# Altium PCB EVB-ANNA-B5x5_Certifi.PcbDoc (part 1 of 6)
Units mm, origin at the board's own origin, x right, y up, seen from the top; angles counter-clockwise.
Board outline 100 x 70 mm, 6 copper layers (L1, L2, L3, L4, L5, L6), stack 1.547 mm thick; 489 components, 297 nets, 1418 pads, 1472 vias.
Unrouted connection lines stored in the file: 3.
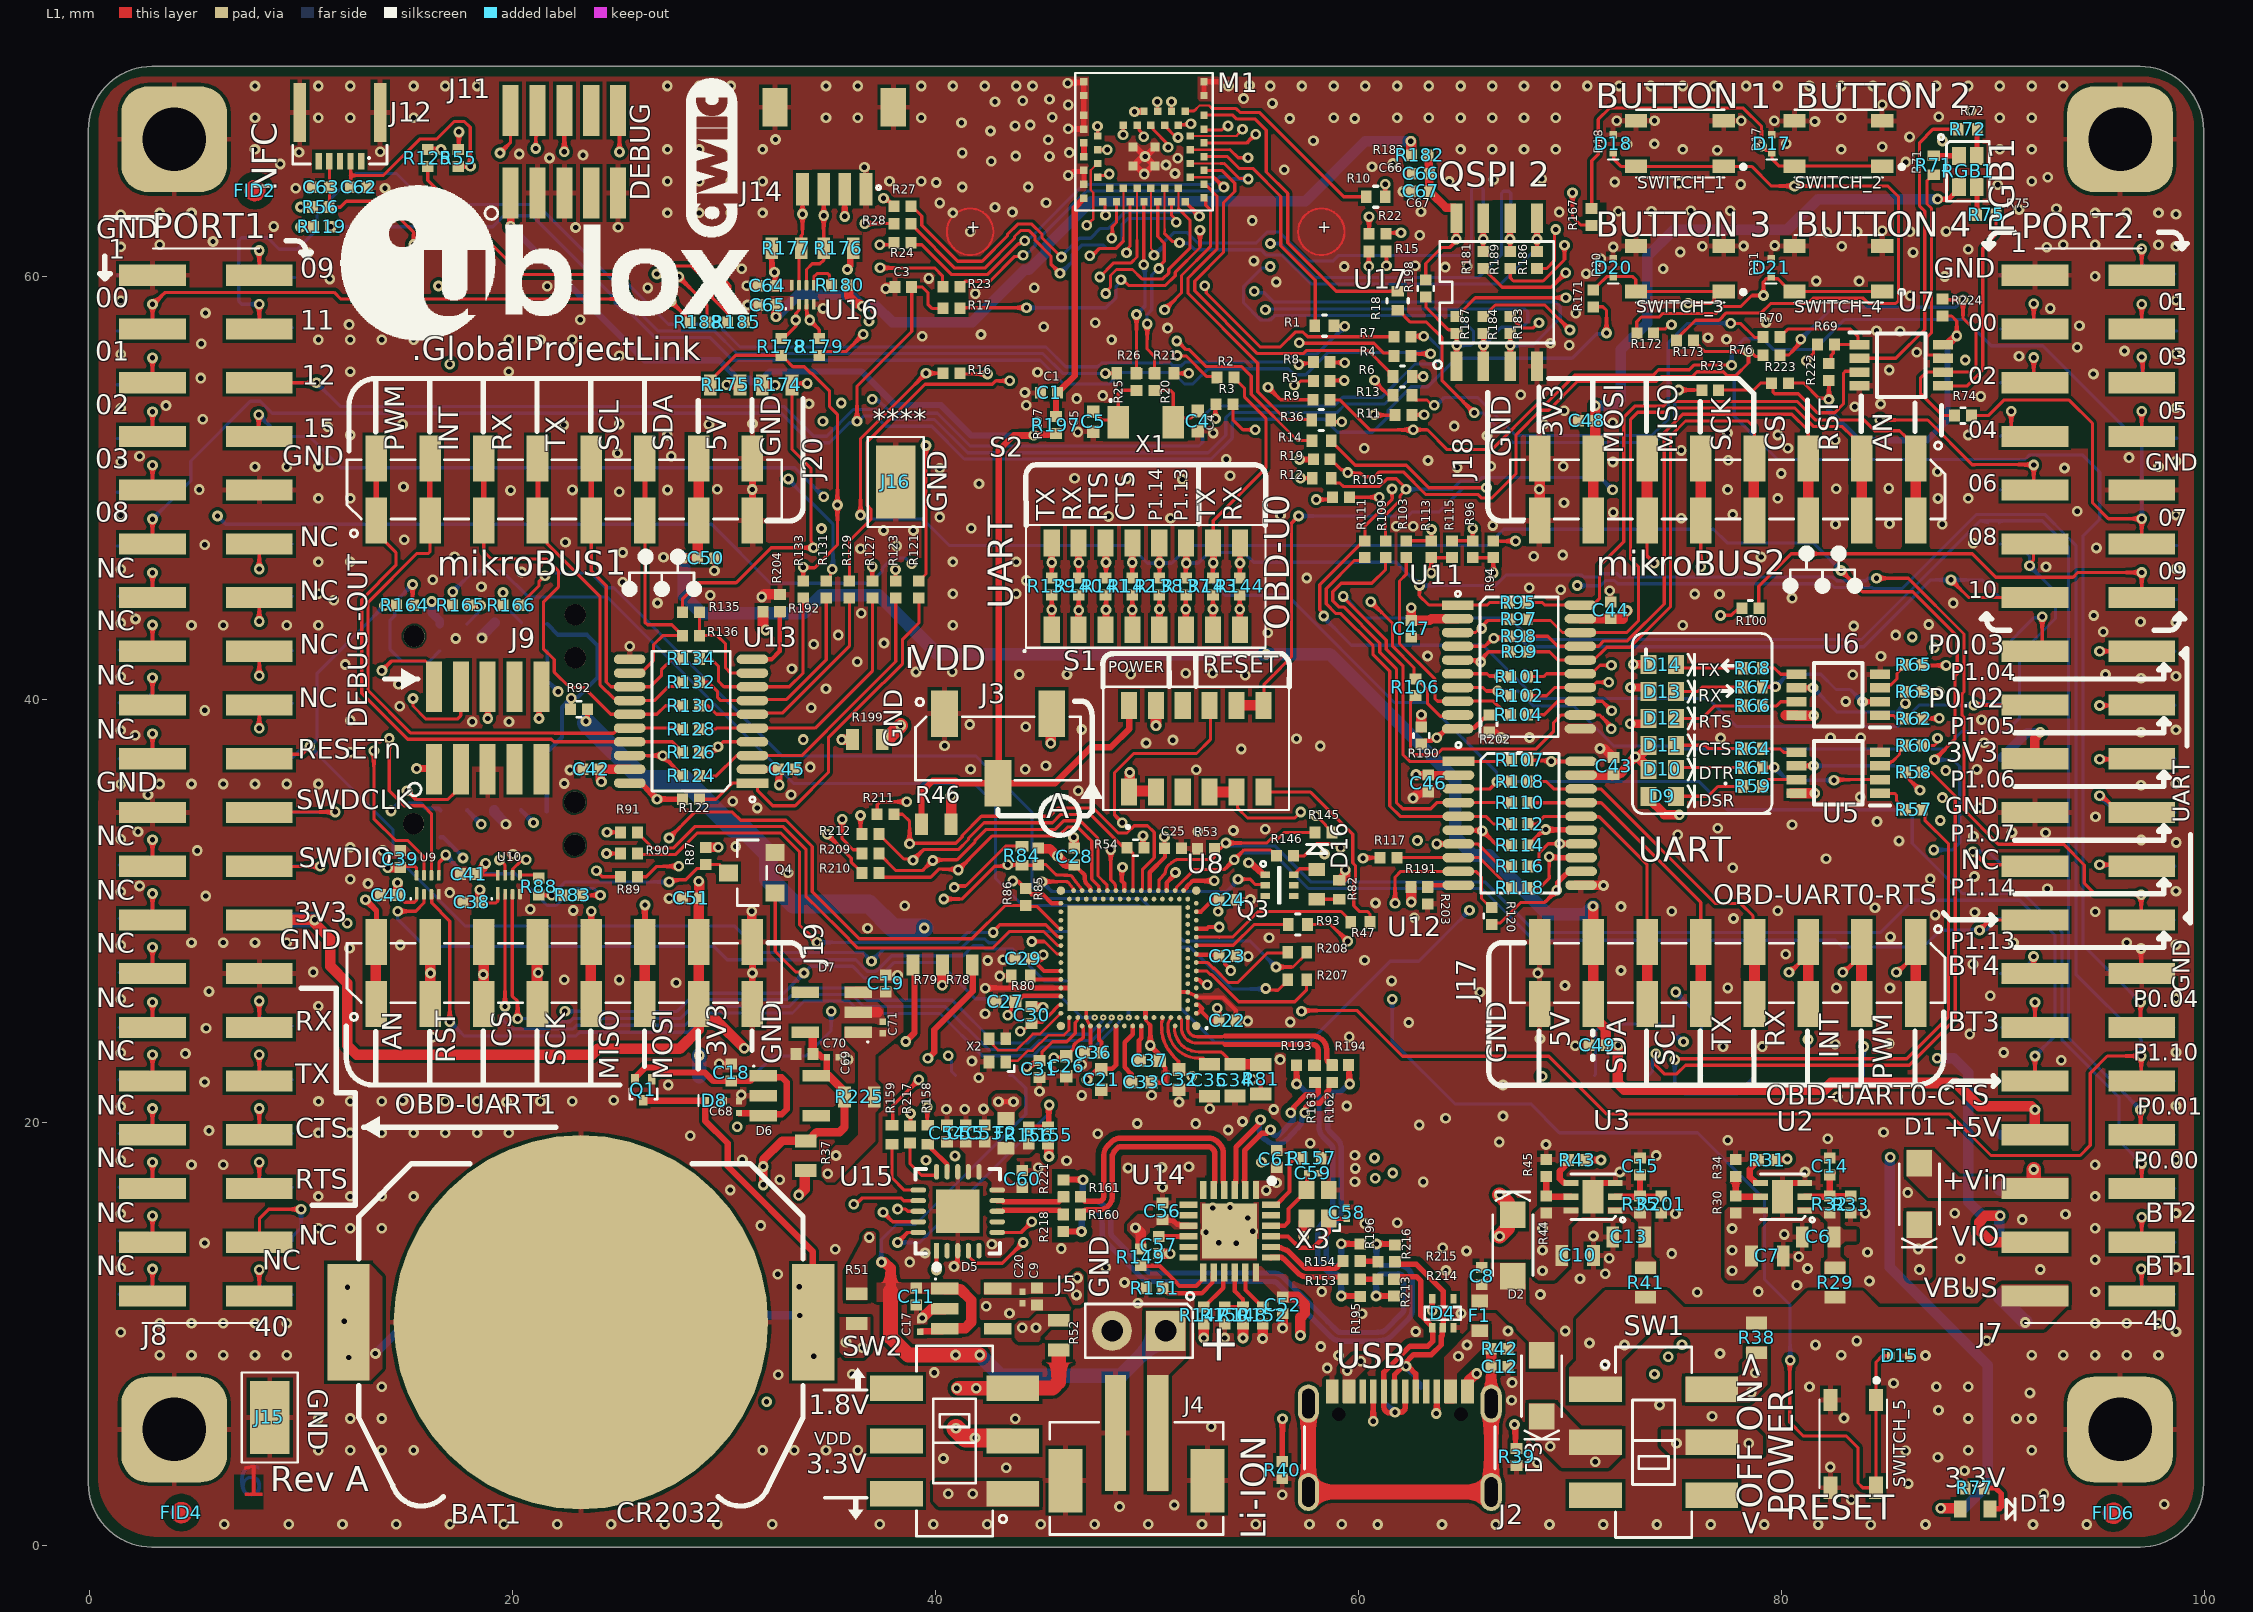
[diagram p0: L1 view]
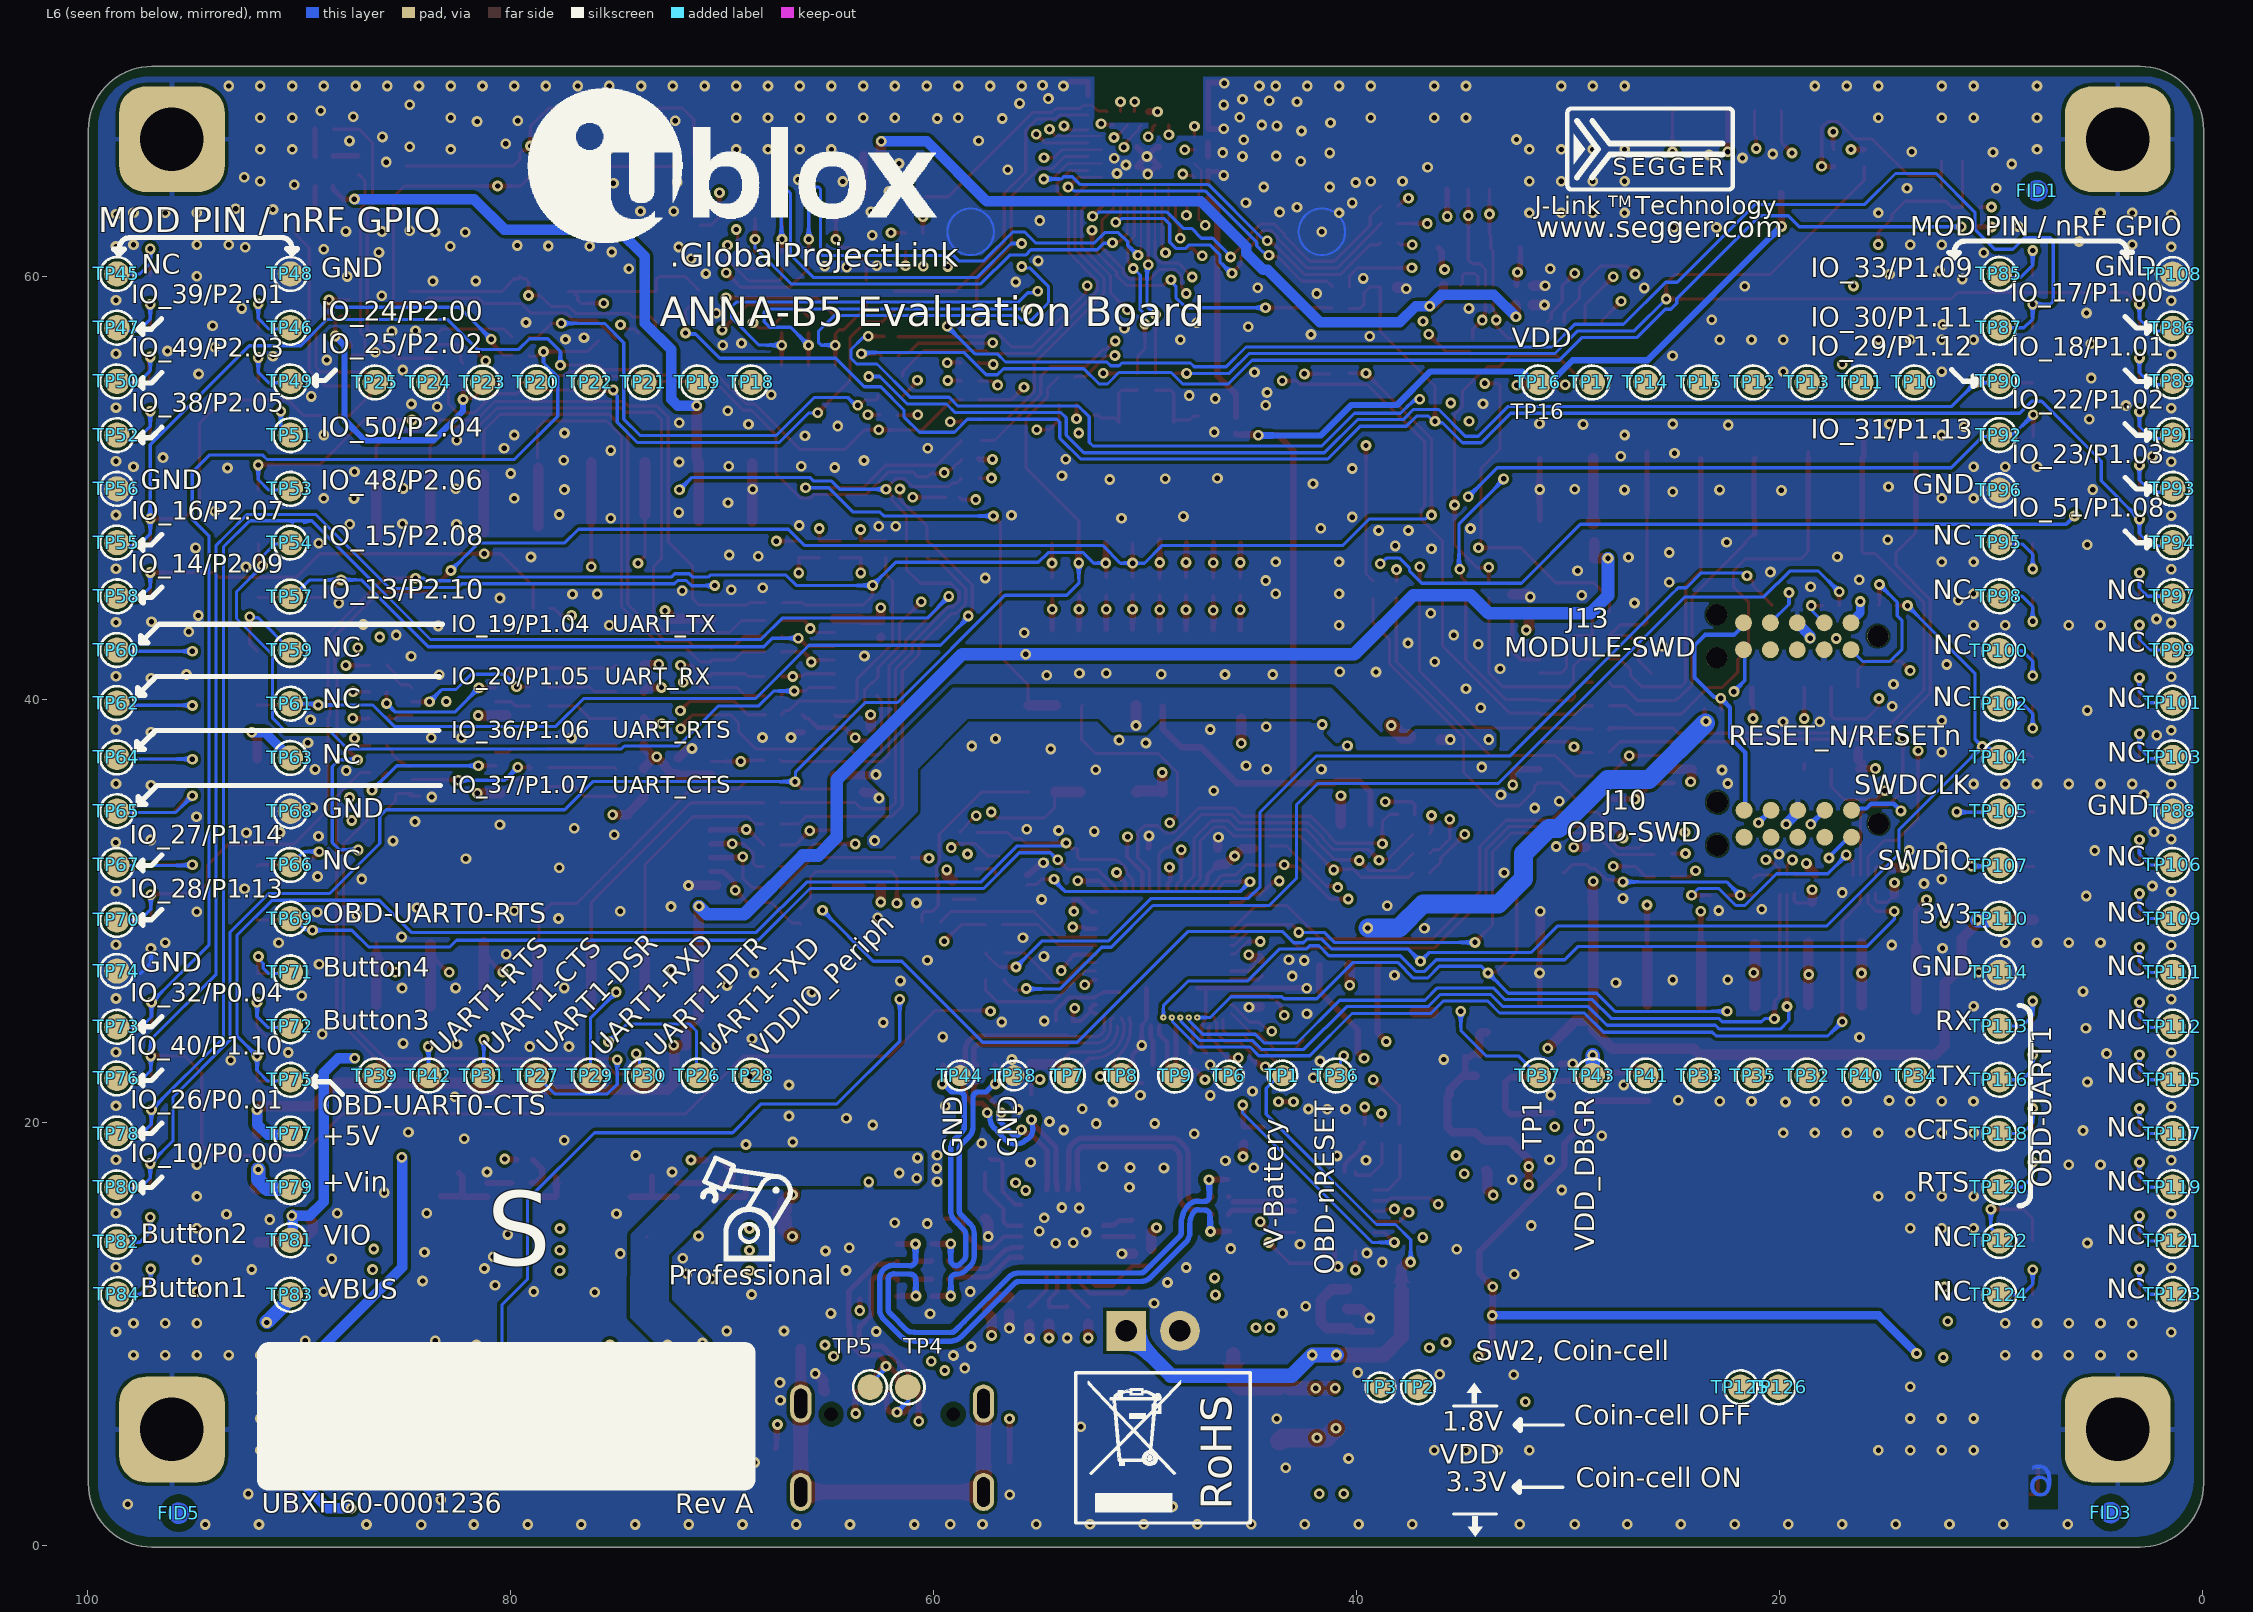
[diagram p1: L6 view, seen from below]
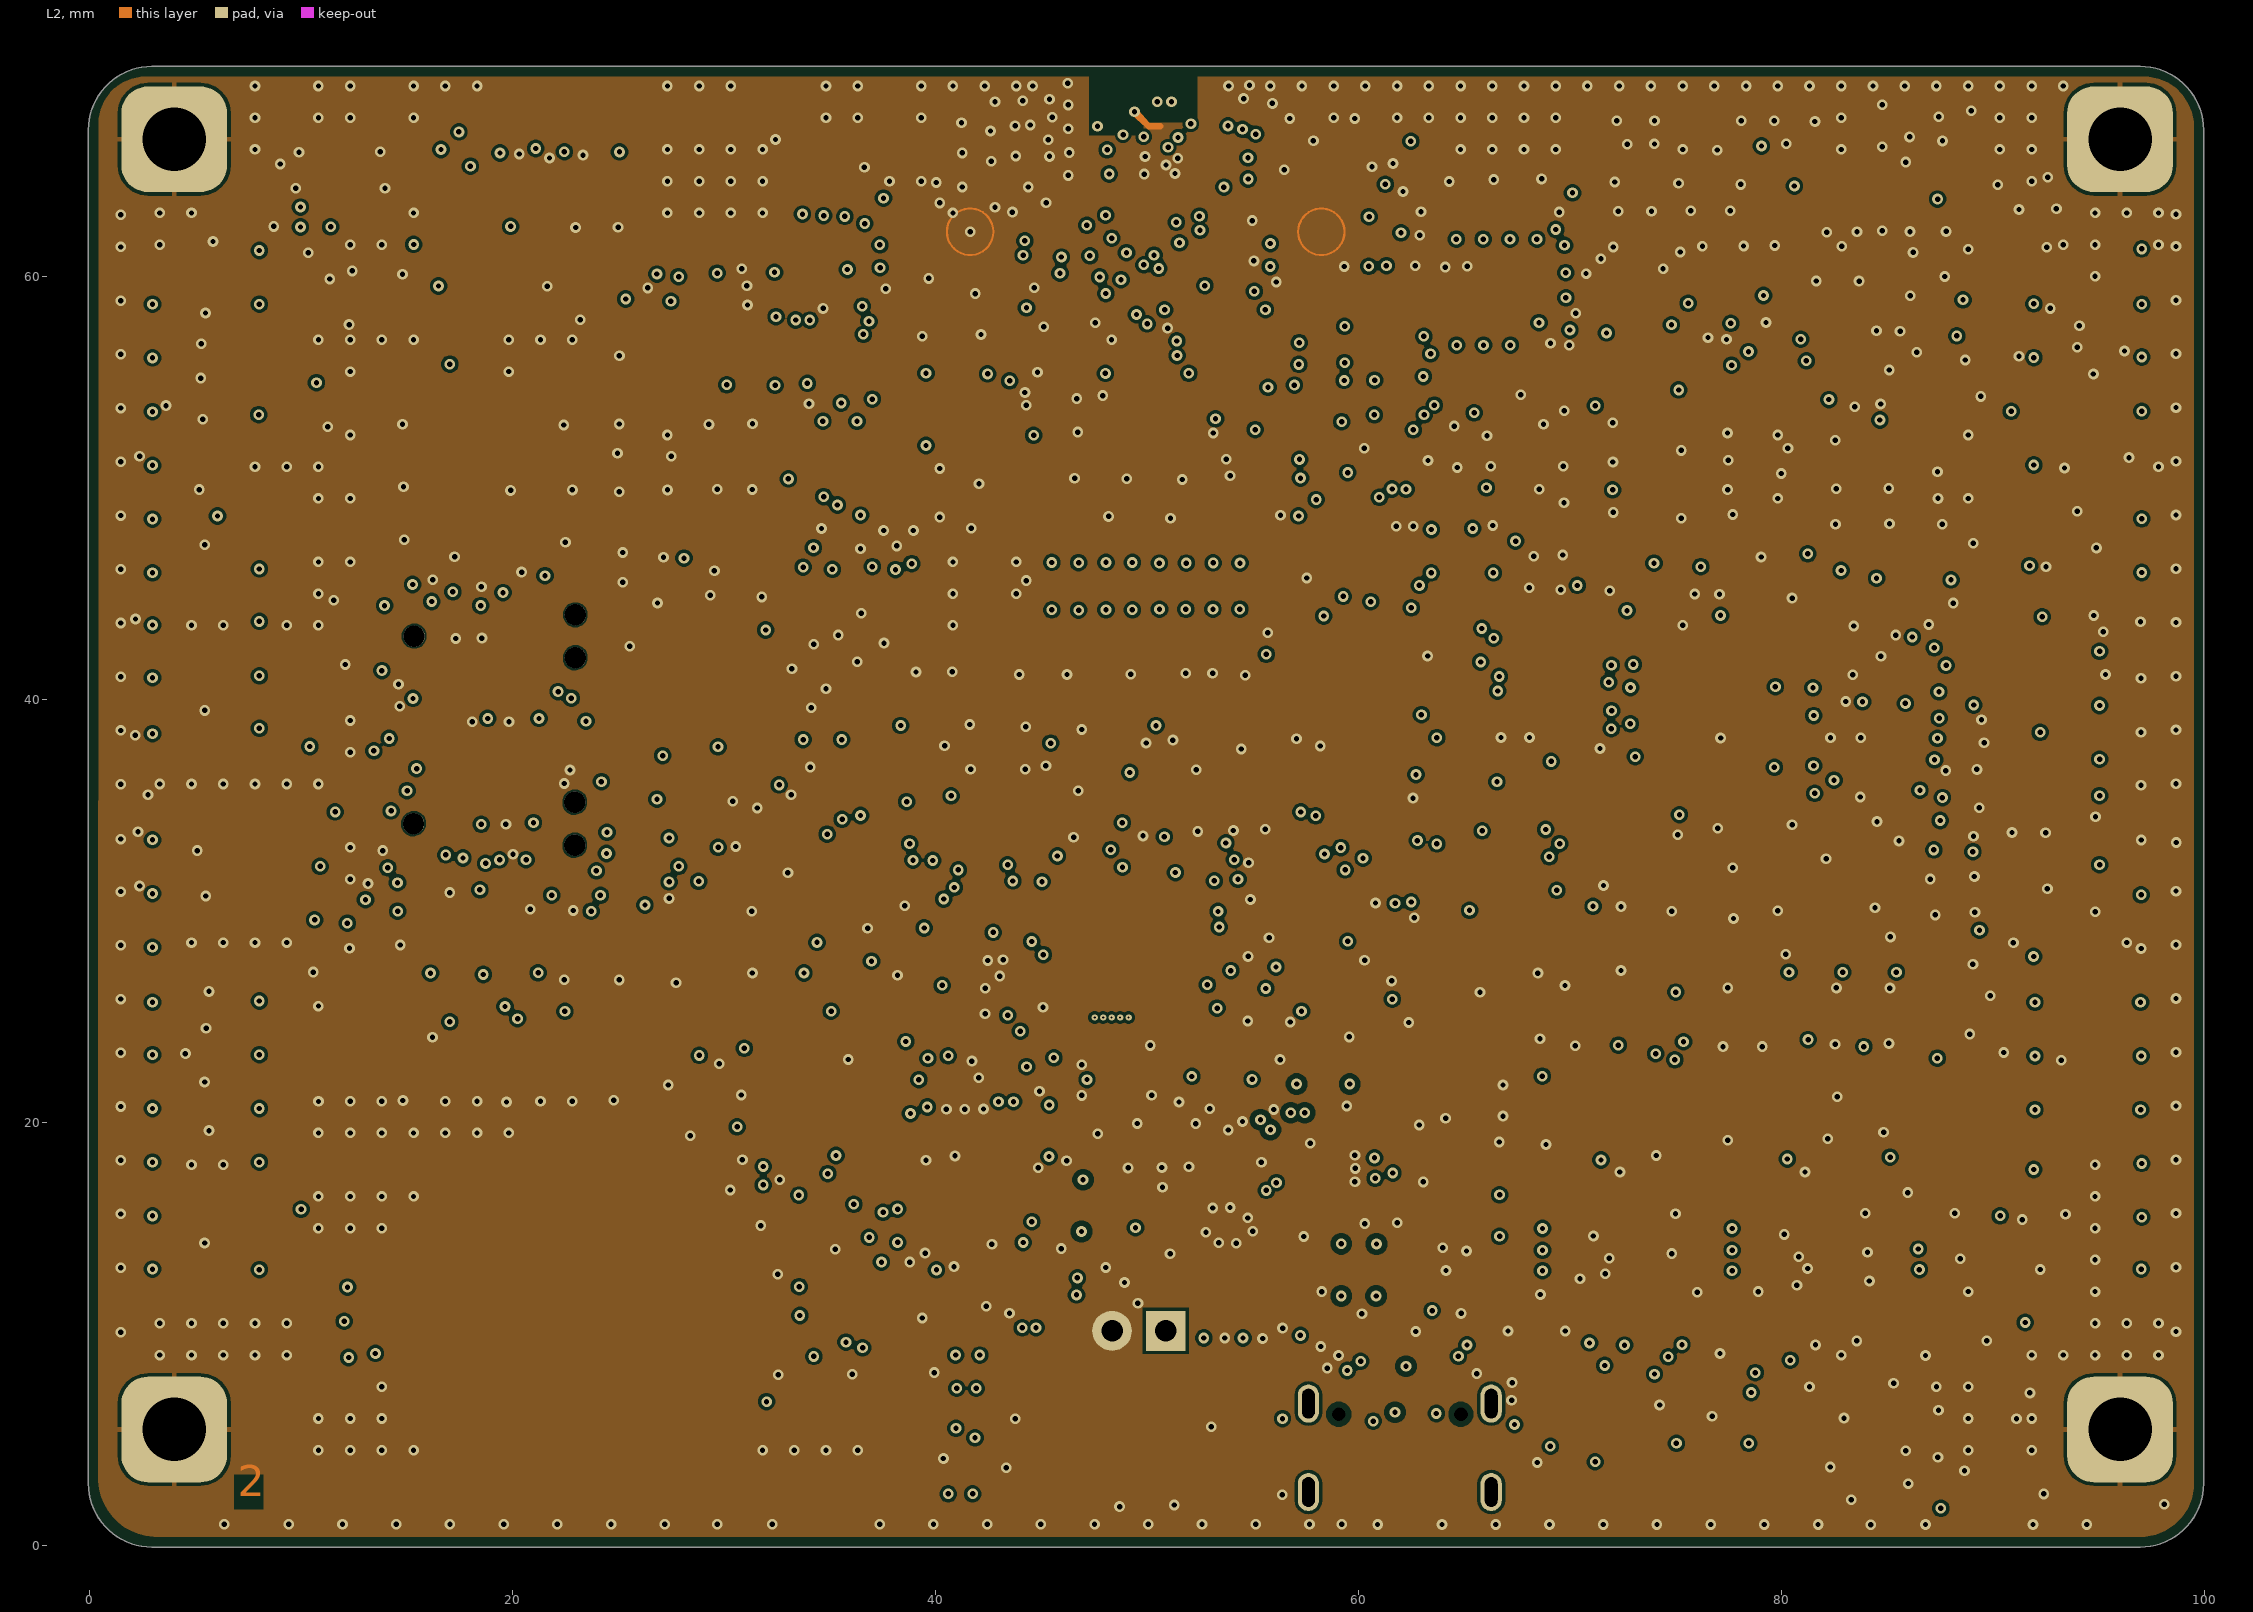
[diagram p2: L2]
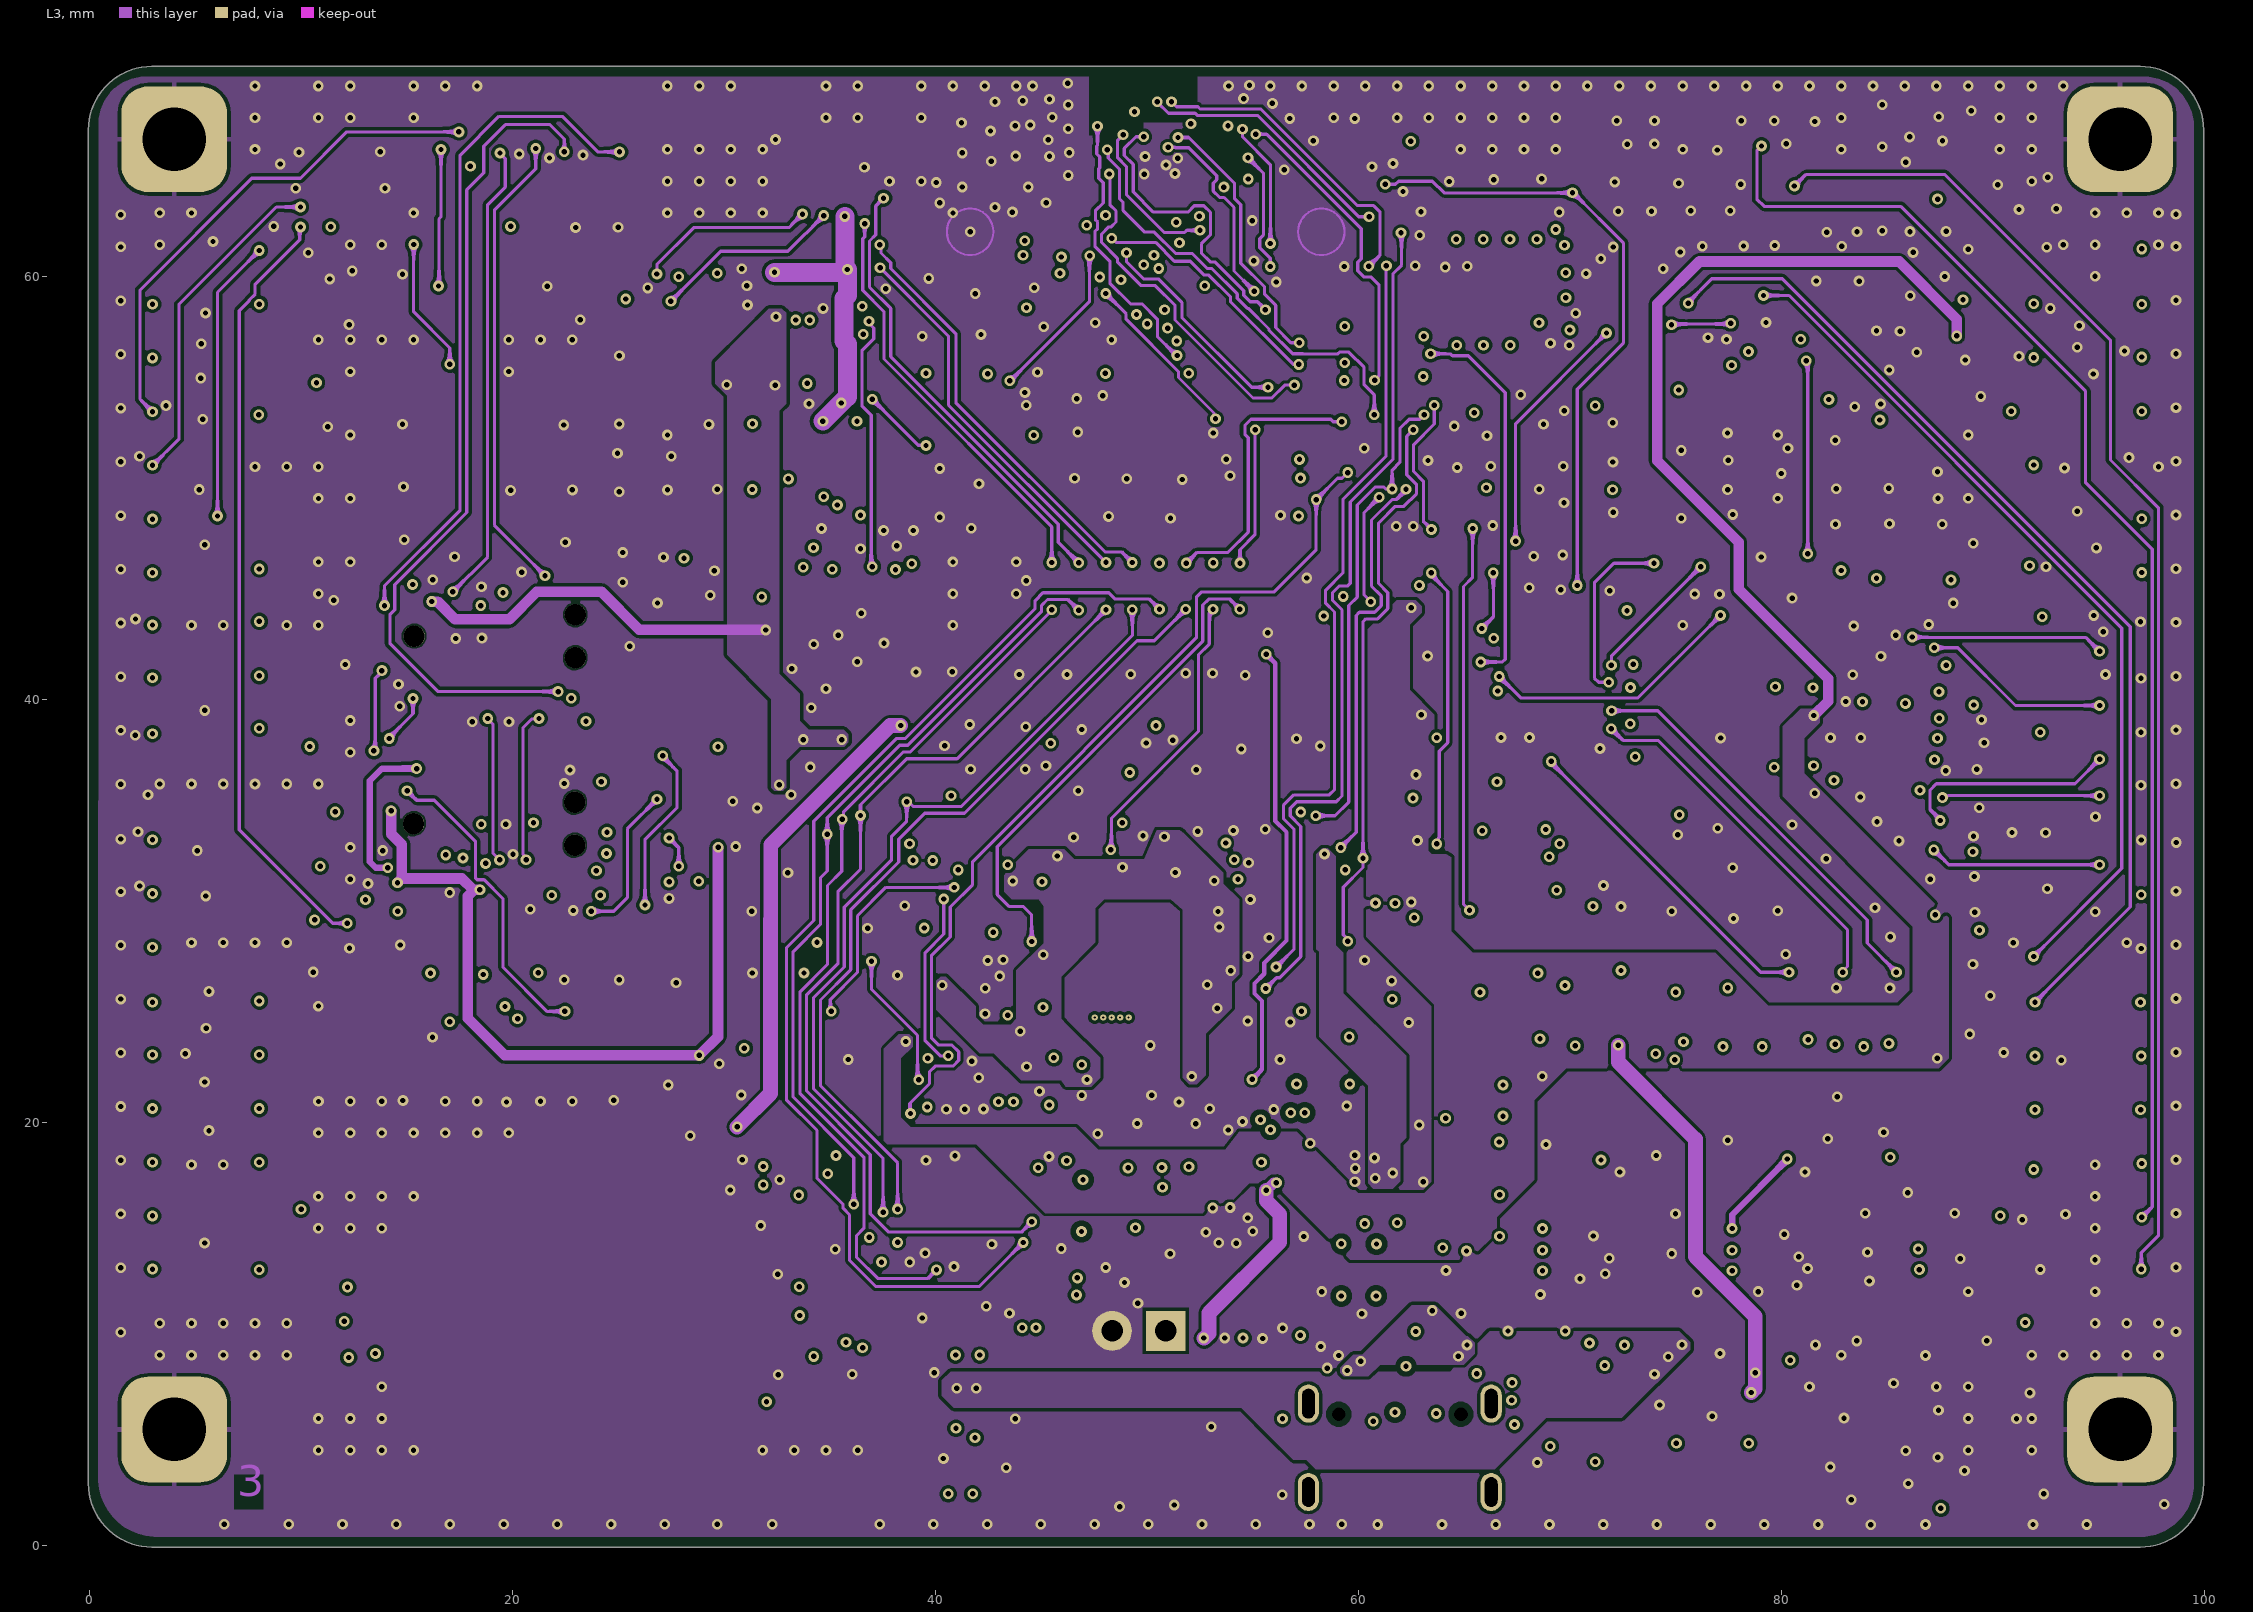
[diagram p3: L3]